# Allegro board 6089-119-RevA_41.brd (continued)
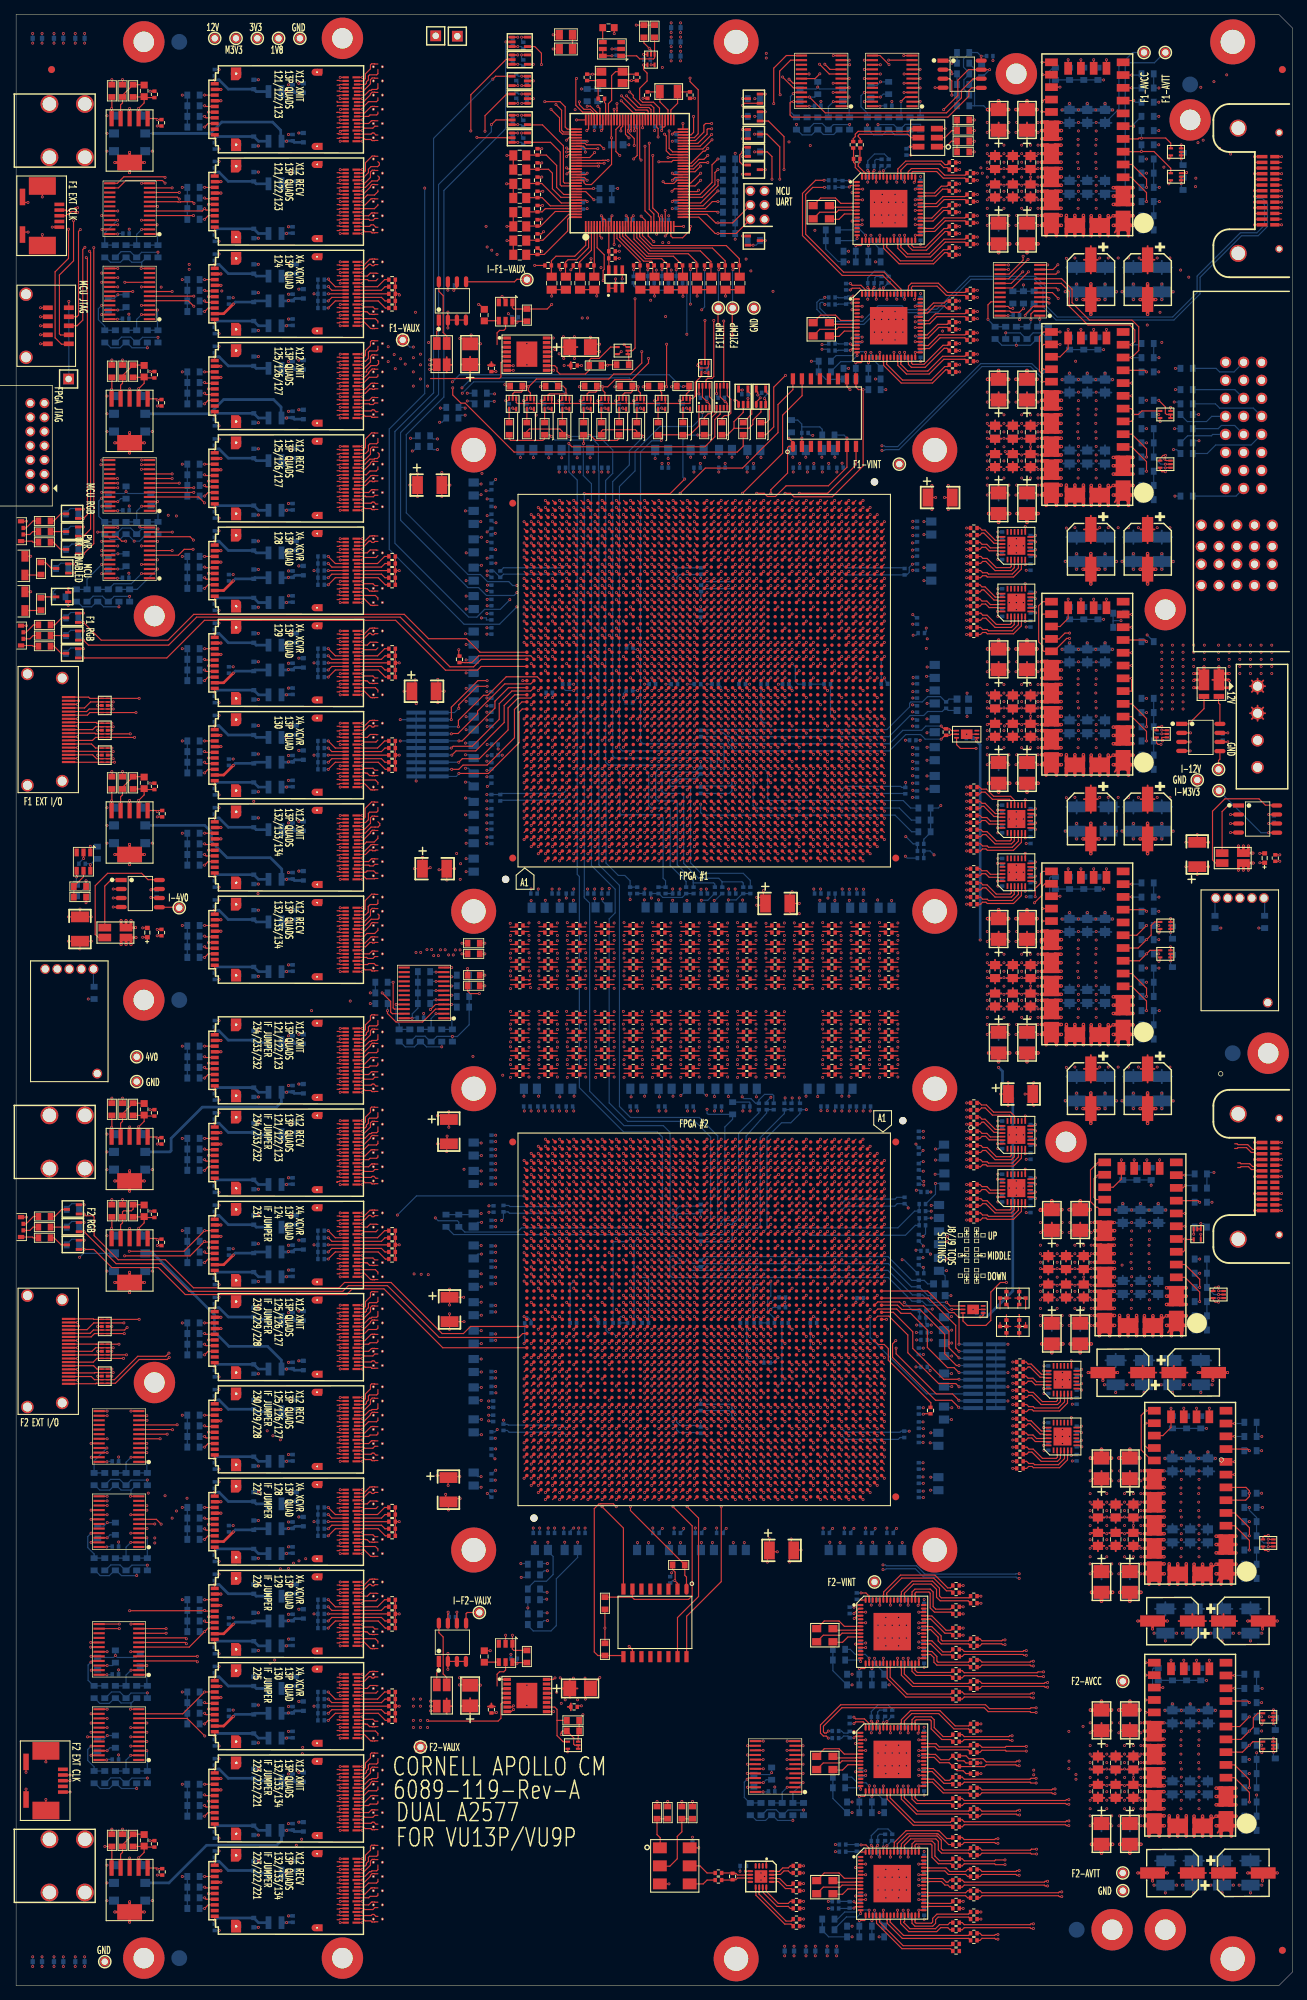
[diagram p0: board, top side]
## Routing (per net, layer and track width the routed paths; a pad name or vN(x,y) marks a point on that pad's centre or on a via; arc(x,y) is an arc through that point) (continued)
52.02,162.4 ; VA43.4 51.63,162.02 ; VA43.4 51.96,162.72 ; VA43.4 52.05,162.59 ; VA43.4 51.82,162.81 ; VA43.4 51.96,162.08 ; 50.04,70.22 VA81.3 ; VA81.3 50.18,69.49 ; VA81.3 50.37,69.52 ; VA81.3 50.37,70.28 ; VA81.3 49.98,69.9 ; VA81.3 49.95,70.09 ; VA81.3 50.04,69.58 ; VA81.3 49.95,69.71 ; 50.18,235.49 VA15.4 ; VA15.4 49.98,235.9 ; VA15.4 49.95,236.09 ; VA15.4 50.37,235.52 ; VA15.4 50.04,235.58 ; VA15.4 50.37,236.28 ; VA15.4 50.04,236.22 ; VA15.4 49.95,235.71 ; 50.37,11.02 VA103.3 ; VA103.3 50.18,10.99 ; VA103.3 49.95,11.59 ; VA103.3 50.04,11.08 ; VA103.3 49.95,11.21 ; VA103.3 50.37,11.78 ; VA103.3 49.98,11.4 ; VA103.3 50.04,11.72 ; VA16.3 51.82,234.31 ; VA16.3 52.02,233.9 ; VA16.3 52.05,234.09 ; VA16.3 51.96,233.58 ; VA16.3 52.05,233.71 ; VA16.3 51.96,234.22 ; VA16.3 51.63,233.52 ; VA16.3 51.63,234.28 ; 50.04,251.08 VA10.3 ; VA10.3 50.18,250.99 ; VA10.3 49.95,251.59 ; VA10.3 50.37,251.78 ; VA10.3 50.04,251.72 ; VA10.3 49.95,251.21 ; VA10.3 49.98,251.4 ; VA10.3 50.37,251.02 ; 49.95,160.21 VA44.3 ; VA44.3 49.98,160.4 ; VA44.3 50.37,160.02 ; VA44.3 50.37,160.78 ; VA44.3 50.18,159.99 ; VA44.3 50.04,160.08 ; VA44.3 49.95,160.59 ; VA44.3 50.04,160.72 ; VA82.4 51.63,68.28 ; VA82.4 52.02,67.9 ; VA82.4 52.05,68.09 ; VA82.4 51.63,67.52 ; VA82.4 51.82,68.31 ; VA82.4 51.96,67.58 ; VA82.4 52.05,67.71 ; VA82.4 51.96,68.22 ; VA96.4 51.96,26.08 ; VA96.4 51.63,26.78 ; VA96.4 52.05,26.21 ; VA96.4 52.02,26.4 ; VA96.4 51.96,26.72 ; VA96.4 52.05,26.59 ; VA96.4 51.82,26.81 ; VA96.4 51.63,26.02 ; VA4.4 52.02,264.4 ; VA4.4 51.82,264.81 ; VA4.4 51.96,264.08 ; VA4.4 51.96,264.72 ; VA4.4 51.63,264.78 ; VA4.4 51.63,264.02 ; VA4.4 52.05,264.21 ; VA4.4 52.05,264.59 ; VA25.4 51.96,214.72 ; VA25.4 51.96,214.08 ; VA25.4 51.82,214.81 ; VA25.4 51.63,214.78 ; VA25.4 52.02,214.4 ; VA25.4 52.05,214.21 ; VA25.4 51.63,214.02 ; VA25.4 52.05,214.59 ; 50.37,126.02 VA58.3 ; VA58.3 50.04,126.08 ; VA58.3 49.98,126.4 ; VA58.3 49.95,126.21 ; VA58.3 50.04,126.72 ; VA58.3 50.18,125.99 ; VA58.3 49.95,126.59 ; VA58.3 50.37,126.78 ; 49.95,143.59 VA52.3 ; VA52.3 49.95,143.21 ; VA52.3 50.37,143.78 ; VA52.3 50.04,143.72 ; VA52.3 50.18,142.99 ; VA52.3 50.04,143.08 ; VA52.3 50.37,143.02 ; VA52.3 49.98,143.4 ; VA66.3 50.37,107.28 ; VA66.3 49.98,106.9 ; VA66.3 50.18,106.49 ; VA66.3 50.37,106.52 ; VA66.3 50.04,107.22 ; VA66.3 49.95,107.09 ; VA66.3 49.95,106.71 ; VA66.3 50.04,106.58 ; 50.18,73.99 VA80.3 ; VA80.3 49.98,74.4 ; VA80.3 50.04,74.08 ; VA80.3 49.95,74.59 ; VA80.3 49.95,74.21 ; VA80.3 50.37,74.78 ; VA80.3 50.04,74.72 ; VA80.3 50.37,74.02 ; VA57.4 51.96,128.72 ; VA57.4 51.96,128.08 ; VA57.4 51.63,128.02 ; VA57.4 51.63,128.78 ; VA57.4 52.05,128.21 ; VA57.4 52.02,128.4 ; VA57.4 51.82,128.81 ; VA57.4 52.05,128.59 ; VA94.4 51.63,30.78 ; VA94.4 52.05,30.59 ; VA94.4 51.63,30.02 ; VA94.4 52.05,30.21 ; VA94.4 51.96,30.08 ; VA94.4 51.82,30.81 ; VA94.4 52.02,30.4 ; VA94.4 51.96,30.72 ; VA53.4 51.63,136.78 ; VA53.4 51.63,136.02 ; VA53.4 52.02,136.4 ; VA53.4 51.96,136.72 ; VA53.4 52.05,136.21 ; VA53.4 52.05,136.59 ; VA53.4 51.82,136.81 ; VA53.4 51.96,136.08 ; 51.63,227.02 VA19.4 ; VA19.4 52.02,227.4 ; VA19.4 52.05,227.59 ; VA19.4 52.05,227.21 ; VA19.4 51.96,227.08 ; VA19.4 51.82,227.81 ; VA19.4 51.96,227.72 ; VA19.4 51.63,227.78 ; 50.04,233.58 VA16.4 ; VA16.4 50.37,233.52 ; VA16.4 49.95,233.71 ; VA16.4 49.98,233.9 ; VA16.4 50.37,234.28 ; VA16.4 49.95,234.09 ; VA16.4 50.04,234.22 ; VA16.4 50.18,233.49 ; VA102.4 51.63,13.78 ; VA102.4 51.63,13.02 ; VA102.4 51.96,13.08 ; VA102.4 51.96,13.72 ; VA102.4 52.05,13.59 ; VA102.4 52.05,13.21 ; VA102.4 52.02,13.4 ; VA102.4 51.82,13.81 ; 50.18,230.99 VA17.3 ; VA17.3 50.37,231.02 ; VA17.3 50.04,231.72 ; VA17.3 49.95,231.21 ; VA17.3 50.04,231.08 ; VA17.3 50.37,231.78 ; VA17.3 49.95,231.59 ; VA17.3 49.98,231.4 ; 49.95,78.21 VA78.3 ; VA78.3 49.98,78.4 ; VA78.3 50.37,78.78 ; VA78.3 49.95,78.59 ; VA78.3 50.04,78.08 ; VA78.3 50.37,78.02 ; VA78.3 50.04,78.72 ; VA78.3 50.18,77.99 ; 50.04,34.58 VA92.4 ; VA92.4 50.37,35.28 ; VA92.4 50.04,35.22 ; VA92.4 49.95,34.71 ; VA92.4 50.18,34.49 ; VA92.4 49.95,35.09 ; VA92.4 49.98,34.9 ; VA92.4 50.37,34.52 ; VA103.4 51.82,11.81 ; VA103.4 51.63,11.78 ; VA103.4 51.96,11.08 ; VA103.4 51.96,11.72 ; VA103.4 51.63,11.02 ; VA103.4 52.05,11.21 ; VA103.4 52.02,11.4 ; VA103.4 52.05,11.59 ; 50.18,62.49 VA83.4 ; VA83.4 49.98,62.9 ; VA83.4 50.37,62.52 ; VA83.4 50.37,63.28 ; VA83.4 49.95,63.09 ; VA83.4 50.04,62.58 ; VA83.4 49.95,62.71 ; VA83.4 50.04,63.22 ; VA3.4 52.05,266.21 ; VA3.4 51.96,266.72 ; VA3.4 52.02,266.4 ; VA3.4 51.82,266.81 ; VA3.4 51.63,266.78 ; VA3.4 51.63,266.02 ; VA3.4 51.96,266.08 ; VA3.4 52.05,266.59 ; 50.04,48.22 VA88.4 ; VA88.4 50.37,47.52 ; VA88.4 49.95,47.71 ; VA88.4 49.98,47.9 ; VA88.4 49.95,48.09 ; VA88.4 50.37,48.28 ; VA88.4 50.04,47.58 ; VA88.4 50.18,47.49 ; VA22.4 51.63,221.78 ; VA22.4 52.02,221.4 ; VA22.4 51.82,221.81 ; VA22.4 52.05,221.21 ; VA22.4 52.05,221.59 ; VA22.4 51.63,221.02 ; VA22.4 51.96,221.08 ; VA22.4 51.96,221.72 ; 49.98,247.4 VA12.3 ; VA12.3 50.04,247.72 ; VA12.3 50.04,247.08 ; VA12.3 50.37,247.02 ; VA12.3 49.95,247.21 ; VA12.3 50.37,247.78 ; VA12.3 50.18,246.99 ; VA12.3 49.95,247.59 ; PM16.1 104.67,237.07 ; PM16.1 103.33,237.07 ; PM16.1 104,235.52 ; PM16.1 104.88,236.4 ; PM16.1 104,237.28 ; PM16.1 103.33,235.73 ; PM16.1 103.12,236.4 ; PM16.1 104.67,235.73 ; VA88.3 52.05,47.71 ; VA88.3 52.02,47.9 ; VA88.3 51.63,48.28 ; VA88.3 51.82,48.31 ; VA88.3 51.96,47.58 ; VA88.3 52.05,48.09 ; VA88.3 51.96,48.22 ; VA88.3 51.63,47.52 ; 49.95,253.59 VA9.3 ; VA9.3 49.95,253.21 ; VA9.3 49.98,253.4 ; VA9.3 50.04,253.08 ; VA9.3 50.04,253.72 ; VA9.3 50.37,253.02 ; VA9.3 50.18,252.99 ; VA9.3 50.37,253.78 ; VA5.4 51.63,262.78 ; VA5.4 51.96,262.08 ; VA5.4 51.82,262.81 ; VA5.4 51.63,262.02 ; VA5.4 52.05,262.59 ; VA5.4 52.05,262.21 ; VA5.4 52.02,262.4 ; VA5.4 51.96,262.72 ; PM3.1 17.88,127.4 ; PM3.1 17.67,128.07 ; PM3.1 16.12,127.4 ; PM3.1 17,128.28 ; PM3.1 17.67,126.73 ; PM3.1 16.33,126.73 ; PM3.1 16.33,128.07 ; PM3.1 17,126.52 ; VA9.4 52.05,253.21 ; VA9.4 52.02,253.4 ; VA9.4 51.96,253.72 ; VA9.4 52.05,253.59 ; VA9.4 51.82,253.81 ; VA9.4 51.96,253.08 ; VA9.4 51.63,253.78 ; VA9.4 51.63,253.02 ; VA12.4 51.96,247.72 ; VA12.4 51.63,247.02 ; VA12.4 52.05,247.59 ; VA12.4 51.63,247.78 ; VA12.4 52.02,247.4 ; VA12.4 51.96,247.08 ; VA12.4 52.05,247.21 ; VA12.4 51.82,247.81 ; 50.37,177.52 VA37.3 ; VA37.3 49.98,177.9 ; VA37.3 50.18,177.49 ; VA37.3 50.04,177.58 ; VA37.3 49.95,178.09 ; VA37.3 50.04,178.22 ; VA37.3 50.37,178.28 ; VA37.3 49.95,177.71 ; VA95.4 51.96,28.72 ; VA95.4 52.05,28.59 ; VA95.4 52.02,28.4 ; VA95.4 51.82,28.81 ; VA95.4 52.05,28.21 ; VA95.4 51.63,28.02 ; VA95.4 51.96,28.08 ; VA95.4 51.63,28.78 ; VA89.4 52.02,43.9 ; VA89.4 51.96,43.58 ; VA89.4 51.82,44.31 ; VA89.4 51.63,44.28 ; VA89.4 51.96,44.22 ; VA89.4 52.05,44.09 ; VA89.4 51.63,43.52 ; VA89.4 52.05,43.71 ; 49.95,130.59 VA56.3 ; VA56.3 49.98,130.4 ; VA56.3 50.37,130.78 ; VA56.3 50.04,130.72 ; VA56.3 50.37,130.02 ; VA56.3 50.18,129.99 ; VA56.3 50.04,130.08 ; VA56.3 49.95,130.21 ; 51.63,168.52 VA40.3 ; VA40.3 51.82,169.31 ; VA40.3 51.96,169.22 ; VA40.3 51.63,169.28 ; VA40.3 51.96,168.58 ; VA40.3 52.05,169.09 ; VA40.3 52.02,168.9 ; VA40.3 52.05,168.71 ; VA50.4 51.63,147.78 ; VA50.4 51.96,147.72 ; VA50.4 51.96,147.08 ; VA50.4 52.05,147.21 ; VA50.4 52.05,147.59 ; VA50.4 51.82,147.81 ; VA50.4 51.63,147.02 ; VA50.4 52.02,147.4 ; VA35.3 52.05,183.71 ; VA35.3 51.96,184.22 ; VA35.3 51.63,183.52 ; VA35.3 51.63,184.28 ; VA35.3 52.02,183.9 ; VA35.3 51.96,183.58 ; VA35.3 52.05,184.09 ; VA35.3 51.82,184.31 ; 50.04,255.72 VA8.3 ; VA8.3 49.95,255.21 ; VA8.3 50.04,255.08 ; VA8.3 50.37,255.02 ; VA8.3 49.95,255.59 ; VA8.3 50.37,255.78 ; VA8.3 49.98,255.4 ; VA8.3 50.18,254.99 ; 50.04,257.08 VA7.3 ; VA7.3 49.95,257.21 ; VA7.3 49.95,257.59 ; VA7.3 50.37,257.78 ; VA7.3 50.04,257.72 ; VA7.3 50.37,257.02 ; VA7.3 49.98,257.4 ; VA7.3 50.18,256.99 ; VA65.3 50.37,109.28 ; VA65.3 50.04,109.22 ; VA65.3 49.95,109.09 ; VA65.3 50.18,108.49 ; VA65.3 50.04,108.58 ; VA65.3 49.98,108.9 ; VA65.3 50.37,108.52 ; VA65.3 49.95,108.71 ; 50.04,132.72 VA55.3 ; VA55.3 49.95,132.21 ; VA55.3 50.04,132.08 ; VA55.3 50.18,131.99 ; VA55.3 50.37,132.78 ; VA55.3 50.37,132.02 ; VA55.3 49.98,132.4 ; VA55.3 49.95,132.59 ; VA68.3 52.05,99.71 ; VA68.3 51.82,100.31 ; VA68.3 51.96,100.22 ; VA68.3 52.05,100.09 ; VA68.3 51.63,100.28 ; VA68.3 51.63,99.52 ; VA68.3 51.96,99.58 ; VA68.3 52.02,99.9 ; 49.95,136.59 VA53.3 ; VA53.3 49.98,136.4 ; VA53.3 50.37,136.02 ; VA53.3 50.18,135.99 ; VA53.3 49.95,136.21 ; VA53.3 50.04,136.72 ; VA53.3 50.37,136.78 ; VA53.3 50.04,136.08 ; 49.98,262.4 VA5.3 ; VA5.3 49.95,262.59 ; VA5.3 49.95,262.21 ; VA5.3 50.18,261.99 ; VA5.3 50.37,262.02 ; VA5.3 50.04,262.08 ; VA5.3 50.37,262.78 ; VA5.3 50.04,262.72 ; VA57.3 50.37,128.78 ; VA57.3 50.18,127.99 ; VA57.3 50.37,128.02 ; VA57.3 49.95,128.21 ; VA57.3 50.04,128.08 ; VA57.3 50.04,128.72 ; VA57.3 49.95,128.59 ; VA57.3 49.98,128.4 ; VA77.3 50.37,80.78 ; VA77.3 50.18,79.99 ; VA77.3 49.95,80.59 ; VA77.3 50.04,80.08 ; VA77.3 49.95,80.21 ; VA77.3 49.98,80.4 ; VA77.3 50.37,80.02 ; VA77.3 50.04,80.72 ; 50.04,225.72 VA20.3 ; VA20.3 50.37,225.02 ; VA20.3 49.95,225.59 ; VA20.3 49.95,225.21 ; VA20.3 49.98,225.4 ; VA20.3 50.04,225.08 ; VA20.3 50.18,224.99 ; VA20.3 50.37,225.78 ; VA29.4 51.63,204.28 ; VA29.4 52.02,203.9 ; VA29.4 51.96,203.58 ; VA29.4 52.05,204.09 ; VA29.4 52.05,203.71 ; VA29.4 51.96,204.22 ; VA29.4 51.63,203.52 ; VA29.4 51.82,204.31 ; 49.95,151.21 VA48.3 ; VA48.3 49.98,151.4 ; VA48.3 50.04,151.72 ; VA48.3 50.04,151.08 ; VA48.3 49.95,151.59 ; VA48.3 50.18,150.99 ; VA48.3 50.37,151.78 ; VA48.3 50.37,151.02 ; 50.37,99.52 VA68.4 ; VA68.4 49.95,99.71 ; VA68.4 50.04,99.58 ; VA68.4 50.18,99.49 ; VA68.4 49.98,99.9 ; VA68.4 49.95,100.09 ; VA68.4 50.04,100.22 ; VA68.4 50.37,100.28 ; VA41.4 51.96,166.72 ; VA41.4 52.05,166.59 ; VA41.4 51.63,166.02 ; VA41.4 51.96,166.08 ; VA41.4 51.63,166.78 ; VA41.4 51.82,166.81 ; VA41.4 52.05,166.21 ; VA41.4 52.02,166.4 ; VA51.4 52.05,145.21 ; VA51.4 51.63,145.78 ; VA51.4 52.02,145.4 ; VA51.4 51.63,145.02 ; VA51.4 51.82,145.81 ; VA51.4 51.96,145.08 ; VA51.4 51.96,145.72 ; VA51.4 52.05,145.59 ; VA36.3 51.82,182.31 ; VA36.3 51.63,182.28 ; VA36.3 52.05,181.71 ; VA36.3 51.63,181.52 ; VA36.3 51.96,181.58 ; VA36.3 51.96,182.22 ; VA36.3 52.02,181.9 ; VA36.3 52.05,182.09 ; VA38.4 51.96,176.22 ; VA38.4 52.05,176.09 ; VA38.4 51.63,176.28 ; VA38.4 51.82,176.31 ; VA38.4 51.63,175.52 ; VA38.4 52.05,175.71 ; VA38.4 51.96,175.58 ; VA38.4 52.02,175.9 ; VA47.4 52.02,153.4 ; VA47.4 51.96,153.72 ; VA47.4 51.63,153.02 ; VA47.4 51.82,153.81 ; VA47.4 52.05,153.59 ; VA47.4 51.96,153.08 ; VA47.4 52.05,153.21 ; VA47.4 51.63,153.78 ; VA66.4 51.96,106.58 ; VA66.4 52.05,106.71 ; VA66.4 52.02,106.9 ; VA66.4 51.63,107.28 ; VA66.4 51.96,107.22 ; VA66.4 51.63,106.52 ; VA66.4 51.82,107.31 ; VA66.4 52.05,107.09 ; VA85.4 52.05,57.09 ; VA85.4 51.63,56.52 ; VA85.4 52.05,56.71 ; VA85.4 51.96,56.58 ; VA85.4 51.96,57.22 ; VA85.4 51.63,57.28 ; VA85.4 52.02,56.9 ; VA85.4 51.82,57.31 ; 49.98,101.9 VA67.4 ; VA67.4 50.04,101.58 ; VA67.4 49.95,101.71 ; VA67.4 50.04,102.22 ; VA67.4 49.95,102.09 ; VA67.4 50.37,102.28 ; VA67.4 50.37,101.52 ; VA67.4 50.18,101.49 ; VA25.3 50.37,214.78 ; VA25.3 49.98,214.4 ; VA25.3 49.95,214.21 ; VA25.3 50.18,213.99 ; VA25.3 49.95,214.59 ; VA25.3 50.04,214.08 ; VA25.3 50.37,214.02 ; VA25.3 50.04,214.72 ; J5.22 7.31,183.46 ; J5.22 5.69,185.07 ; J5.22 6.5,185.33 ; J5.22 6.5,183.2 ; J5.22 7.57,184.26 ; J5.22 7.31,185.07 ; J5.22 5.43,184.26 ; J5.22 5.69,183.46 ; VA63.3 50.37,115.78 ; VA63.3 50.04,115.08 ; VA63.3 50.37,115.02 ; VA63.3 50.04,115.72 ; VA63.3 50.18,114.99 ; VA63.3 49.98,115.4 ; VA63.3 49.95,115.21 ; VA63.3 49.95,115.59 ; VA87.3 52.02,49.9 ; VA87.3 51.96,49.58 ; VA87.3 51.82,50.31 ; VA87.3 51.63,50.28 ; VA87.3 51.96,50.22 ; VA87.3 51.63,49.52 ; VA87.3 52.05,49.71 ; VA87.3 52.05,50.09 ; 50.04,191.22 VA33.3 ; VA33.3 50.37,190.52 ; VA33.3 49.95,191.09 ; VA33.3 49.95,190.71 ; VA33.3 50.18,190.49 ; VA33.3 50.04,190.58 ; VA33.3 50.37,191.28 ; VA33.3 49.98,190.9 ; VA60.4 52.05,121.59 ; VA60.4 52.02,121.4 ; VA60.4 51.63,121.02 ; VA60.4 51.96,121.08 ; VA60.4 51.82,121.81 ; VA60.4 51.63,121.78 ; VA60.4 51.96,121.72 ; VA60.4 52.05,121.21 ; VA13.4 51.96,242.58 ; VA13.4 52.05,243.09 ; VA13.4 51.63,243.28 ; VA13.4 51.96,243.22 ; VA13.4 52.05,242.71 ; VA13.4 51.82,243.31 ; VA13.4 51.63,242.52 ; VA13.4 52.02,242.9 ; VA49.4 52.02,149.4 ; VA49.4 51.63,149.78 ; VA49.4 51.63,149.02 ; VA49.4 51.96,149.72 ; VA49.4 51.96,149.08 ; VA49.4 51.82,149.81 ; VA49.4 52.05,149.21 ; VA49.4 52.05,149.59 ; J5.20 2.4,168.35 ; J5.20 2.64,169.6 ; J5.20 1.6,168.08 ; J5.20 2.4,169.96 ; J5.20 1.15,168.11 ; J5.20 1.6,170.22 ; J5.20 2.05,170.2 ; J5.20 2.66,169.15 ; 50.04,44.22 VA89.3 ; VA89.3 50.37,43.52 ; VA89.3 49.95,43.71 ; VA89.3 50.37,44.28 ; VA89.3 49.98,43.9 ; VA89.3 50.04,43.58 ; VA89.3 49.95,44.09 ; VA89.3 50.18,43.49 ; VA75.4 52.05,84.59 ; VA75.4 52.02,84.4 ; VA75.4 51.63,84.02 ; VA75.4 51.82,84.81 ; VA75.4 51.96,84.08 ; VA75.4 51.96,84.72 ; VA75.4 51.63,84.78 ; VA75.4 52.05,84.21 ; VA92.3 52.05,34.71 ; VA92.3 51.82,35.31 ; VA92.3 51.63,34.52 ; VA92.3 51.63,35.28 ; VA92.3 51.96,35.22 ; VA92.3 52.02,34.9 ; VA92.3 51.96,34.58 ; VA92.3 52.05,35.09 ; VA15.3 51.82,236.31 ; VA15.3 51.63,236.28 ; VA15.3 52.05,236.09 ; VA15.3 52.02,235.9 ; VA15.3 52.05,235.71 ; VA15.3 51.96,235.58 ; VA15.3 51.63,235.52 ; VA15.3 51.96,236.22 ; 5.69,95.86 J6.22 ; J6.22 6.5,95.6 ; J6.22 5.69,97.47 ; J6.22 6.5,97.73 ; J6.22 5.43,96.66 ; J6.22 7.31,95.86 ; J6.22 7.57,96.66 ; J6.22 7.31,97.47 ; 49.98,36.9 VA91.4 ; VA91.4 50.04,36.58 ; VA91.4 50.18,36.49 ; VA91.4 50.04,37.22 ; VA91.4 49.95,37.09 ; VA91.4 50.37,36.52 ; VA91.4 49.95,36.71 ; VA91.4 50.37,37.28 ; VA26.4 52.02,212.4 ; VA26.4 51.82,212.81 ; VA26.4 52.05,212.59 ; VA26.4 51.63,212.78 ; VA26.4 51.63,212.02 ; VA26.4 52.05,212.21 ; VA26.4 51.96,212.72 ; VA26.4 51.96,212.08 ; 49.95,56.71 VA85.3 ; VA85.3 50.18,56.49 ; VA85.3 50.37,57.28 ; VA85.3 49.98,56.9 ; VA85.3 50.37,56.52 ; VA85.3 49.95,57.09 ; VA85.3 50.04,57.22 ; VA85.3 50.04,56.58 ; 49.98,170.9 VA39.4 ; VA39.4 49.95,171.09 ; VA39.4 50.04,170.58 ; VA39.4 50.04,171.22 ; VA39.4 50.37,171.28 ; VA39.4 50.18,170.49 ; VA39.4 49.95,170.71 ; VA39.4 50.37,170.52 ; 50.04,156.72 VA46.3 ; VA46.3 50.37,156.78 ; VA46.3 49.95,156.59 ; VA46.3 49.98,156.4 ; VA46.3 50.37,156.02 ; VA46.3 50.18,155.99 ; VA46.3 49.95,156.21 ; VA46.3 50.04,156.08 ; 50.18,240.49 VA14.3 ; VA14.3 50.37,240.52 ; VA14.3 50.04,240.58 ; VA14.3 50.37,241.28 ; VA14.3 49.98,240.9 ; VA14.3 50.04,241.22 ; VA14.3 49.95,240.71 ; VA14.3 49.95,241.09 ; 50.37,19.02 VA99.3 ; VA99.3 50.37,19.78 ; VA99.3 49.95,19.59 ; VA99.3 50.04,19.08 ; VA99.3 49.95,19.21 ; VA99.3 50.18,18.99 ; VA99.3 49.98,19.4 ; VA99.3 50.04,19.72 ; 50.04,203.58 VA29.3 ; VA29.3 50.37,203.52 ; VA29.3 50.37,204.28 ; VA29.3 49.95,203.71 ; VA29.3 50.18,203.49 ; VA29.3 50.04,204.22 ; VA29.3 49.95,204.09 ; VA29.3 49.98,203.9 ; 49.98,145.4 VA51.3 ; VA51.3 50.04,145.72 ; VA51.3 50.04,145.08 ; VA51.3 49.95,145.21 ; VA51.3 49.95,145.59 ; VA51.3 50.37,145.02 ; VA51.3 50.18,144.99 ; VA51.3 50.37,145.78 ; 50.04,210.08 VA27.3 ; VA27.3 50.04,210.72 ; VA27.3 49.98,210.4 ; VA27.3 50.18,209.99 ; VA27.3 50.37,210.02 ; VA27.3 50.37,210.78 ; VA27.3 49.95,210.59 ; VA27.3 49.95,210.21 ; VA65.4 51.96,109.22 ; VA65.4 52.05,108.71 ; VA65.4 51.63,109.28 ; VA65.4 51.96,108.58 ; VA65.4 52.05,109.09 ; VA65.4 51.82,109.31 ; VA65.4 51.63,108.52 ; VA65.4 52.02,108.9 ; 50.04,89.72 VA73.3 ; VA73.3 50.37,89.02 ; VA73.3 50.37,89.78 ; VA73.3 49.95,89.59 ; VA73.3 50.04,89.08 ; VA73.3 49.95,89.21 ; VA73.3 50.18,88.99 ; VA73.3 49.98,89.4 ; VA7.4 51.96,257.72 ; VA7.4 52.05,257.59 ; VA7.4 51.96,257.08 ; VA7.4 51.63,257.02 ; VA7.4 52.02,257.4 ; VA7.4 51.63,257.78 ; VA7.4 52.05,257.21 ; VA7.4 51.82,257.81 ; VA97.4 51.82,24.81 ; VA97.4 51.96,24.08 ; VA97.4 52.05,24.21 ; VA97.4 52.05,24.59 ; VA97.4 51.96,24.72 ; VA97.4 51.63,24.02 ; VA97.4 52.02,24.4 ; VA97.4 51.63,24.78 ; 50.37,266.02 VA3.3 ; VA3.3 50.18,265.99 ; VA3.3 49.98,266.4 ; VA3.3 50.04,266.08 ; VA3.3 50.37,266.78 ; VA3.3 49.95,266.21 ; VA3.3 50.04,266.72 ; VA3.3 49.95,266.59 ; 50.04,22.08 VA98.3 ; VA98.3 49.98,22.4 ; VA98.3 50.04,22.72 ; VA98.3 49.95,22.59 ; VA98.3 50.37,22.02 ; VA98.3 50.18,21.99 ; VA98.3 50.37,22.78 ; VA98.3 49.95,22.21 ; 49.95,166.21 VA41.3 ; VA41.3 49.98,166.4 ; VA41.3 50.37,166.78 ; VA41.3 50.37,166.02 ; VA41.3 49.95,166.59 ; VA41.3 50.04,166.72 ; VA41.3 50.18,165.99 ; VA41.3 50.04,166.08 ; VA93.4 51.82,32.81 ; VA93.4 52.02,32.4 ; VA93.4 51.63,32.02 ; VA93.4 51.96,32.08 ; VA93.4 52.05,32.59 ; VA93.4 51.96,32.72 ; VA93.4 52.05,32.21 ; VA93.4 51.63,32.78 ; 49.95,188.71 VA34.3 ; VA34.3 49.95,189.09 ; VA34.3 50.04,189.22 ; VA34.3 50.37,188.52 ; VA34.3 50.37,189.28 ; VA34.3 50.04,188.58 ; VA34.3 50.18,188.49 ; VA34.3 49.98,188.9 ; VA30.4 51.63,202.28 ; VA30.4 52.02,201.9 ; VA30.4 51.63,201.52 ; VA30.4 51.82,202.31 ; VA30.4 52.05,202.09 ; VA30.4 52.05,201.71 ; VA30.4 51.96,202.22 ; VA30.4 51.96,201.58 ; VA48.4 51.63,151.78 ; VA48.4 51.82,151.81 ; VA48.4 51.96,151.72 ; VA48.4 51.96,151.08 ; VA48.4 52.02,151.4 ; VA48.4 51.63,151.02 ; VA48.4 52.05,151.59 ; VA48.4 52.05,151.21 ; VA69.4 51.96,97.72 ; VA69.4 51.63,97.78 ; VA69.4 52.05,97.21 ; VA69.4 51.82,97.81 ; VA69.4 51.63,97.02 ; VA69.4 52.05,97.59 ; VA69.4 52.02,97.4 ; VA69.4 51.96,97.08 ; VA62.4 52.05,117.21 ; VA62.4 52.05,117.59 ; VA62.4 51.96,117.72 ; VA62.4 51.82,117.81 ; VA62.4 51.96,117.08 ; VA62.4 52.02,117.4 ; VA62.4 51.63,117.78 ; VA62.4 51.63,117.02 ; 50.04,119.08 VA61.3 ; VA61.3 50.04,119.72 ; VA61.3 49.95,119.21 ; VA61.3 50.37,119.78 ; VA61.3 49.98,119.4 ; VA61.3 49.95,119.59 ; VA61.3 50.18,118.99 ; VA61.3 50.37,119.02 ; 50.37,95.02 VA70.3 ; VA70.3 50.04,95.72 ; VA70.3 49.95,95.21 ; VA70.3 49.95,95.59 ; VA70.3 50.37,95.78 ; VA70.3 50.18,94.99 ; VA70.3 50.04,95.08 ; VA70.3 49.98,95.4 ; 49.95,249.21 VA11.3 ; VA11.3 49.98,249.4 ; VA11.3 50.04,249.08 ; VA11.3 50.37,249.78 ; VA11.3 49.95,249.59 ; VA11.3 50.18,248.99 ; VA11.3 50.37,249.02 ; VA11.3 50.04,249.72 ; VA71.4 51.82,93.81 ; VA71.4 51.96,93.08 ; VA71.4 51.96,93.72 ; VA71.4 51.63,93.02 ; VA71.4 52.05,93.21 ; VA71.4 52.05,93.59 ; VA71.4 52.02,93.4 ; VA71.4 51.63,93.78 ; VA83.3 52.05,62.71 ; VA83.3 52.05,63.09 ; VA83.3 51.63,63.28 ; VA83.3 51.96,63.22 ; VA83.3 52.02,62.9 ; VA83.3 51.63,62.52 ; VA83.3 51.82,63.31 ; VA83.3 51.96,62.58